# Altium PCB PCB.PcbDoc (part 1 of 3)
Units mil, origin at the board's own origin, x right, y up, seen from the top; angles counter-clockwise.
Board outline 5551.18 x 866.13 mil, 6 copper layers (Top Layer, Layer 2, Layer 3, Layer 4, Layer 5, Bottom Layer), stack 59.842 mil thick; 209 components, 117 nets, 663 pads, 866 vias.
Unrouted connection lines stored in the file: 159.
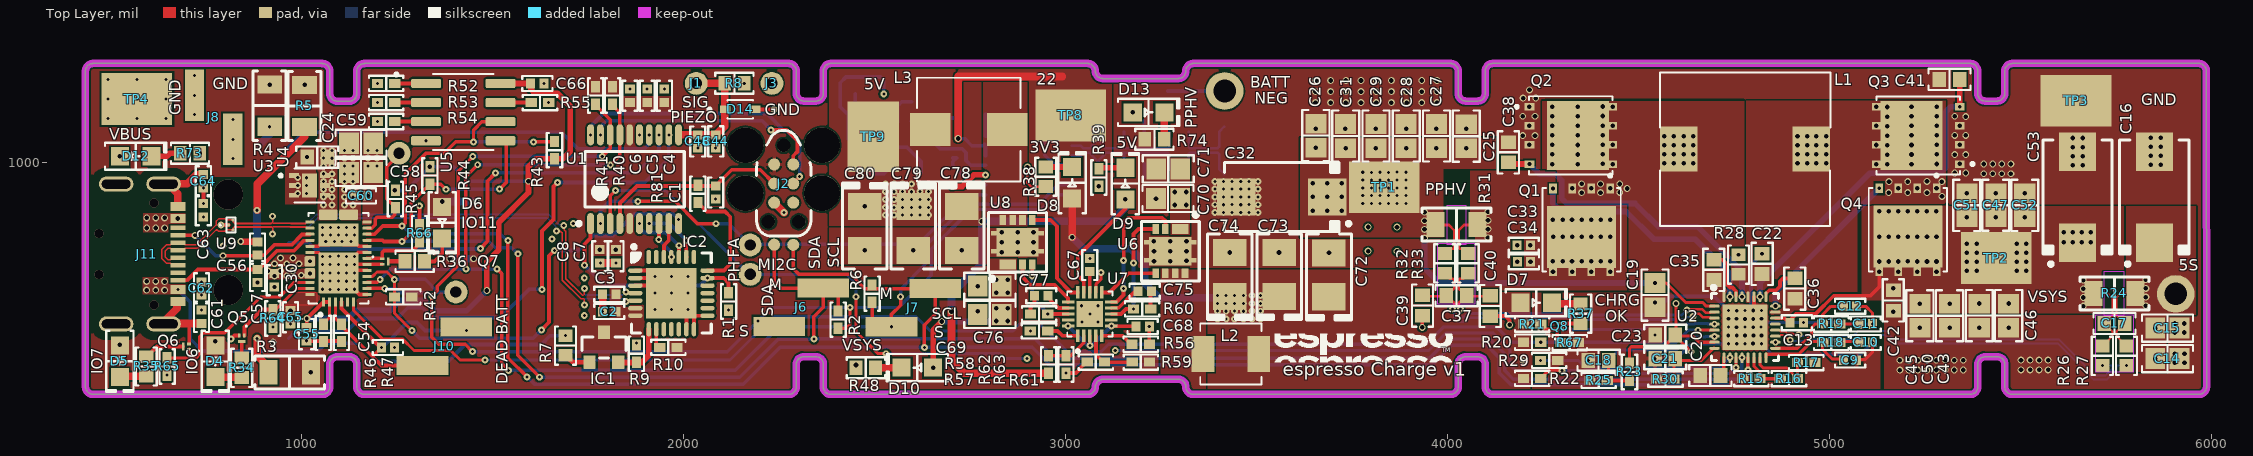
[diagram p0: Top Layer view]
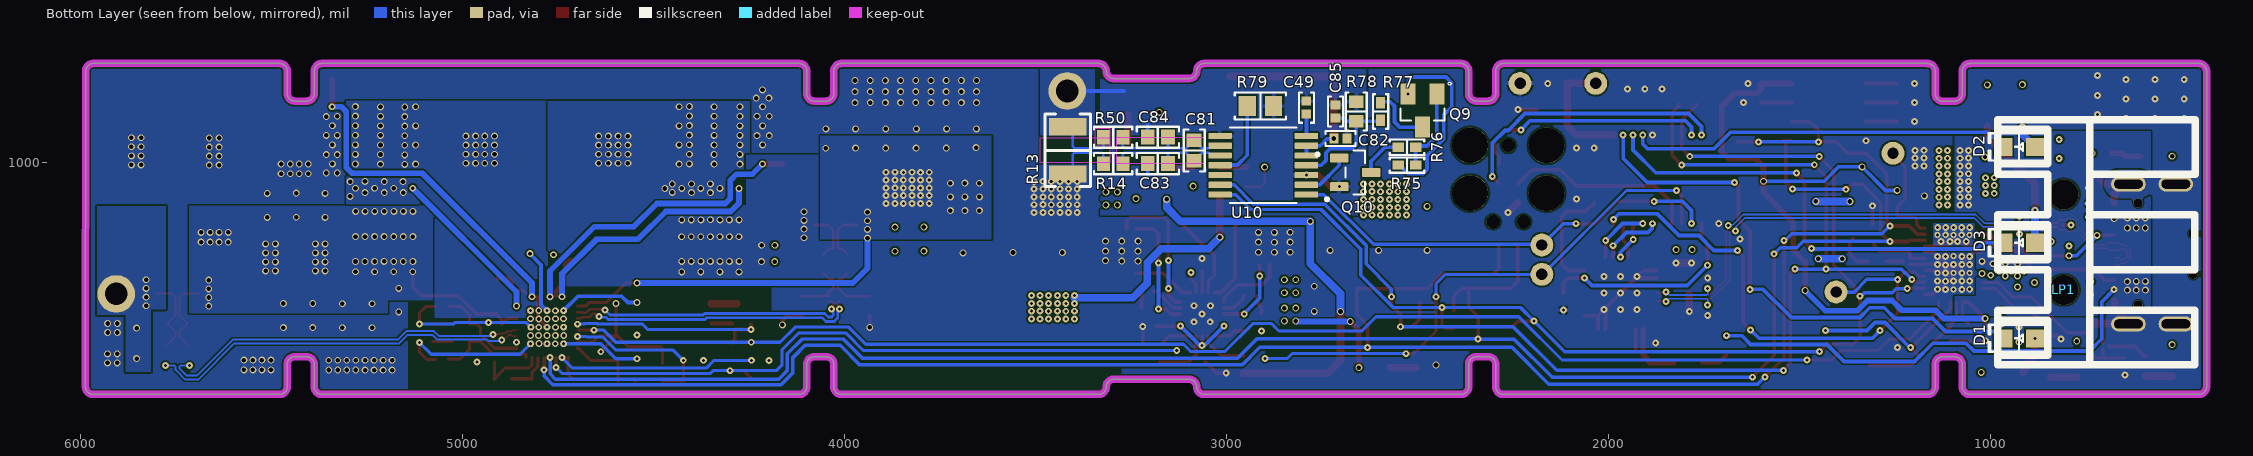
[diagram p1: Bottom Layer view, seen from below]
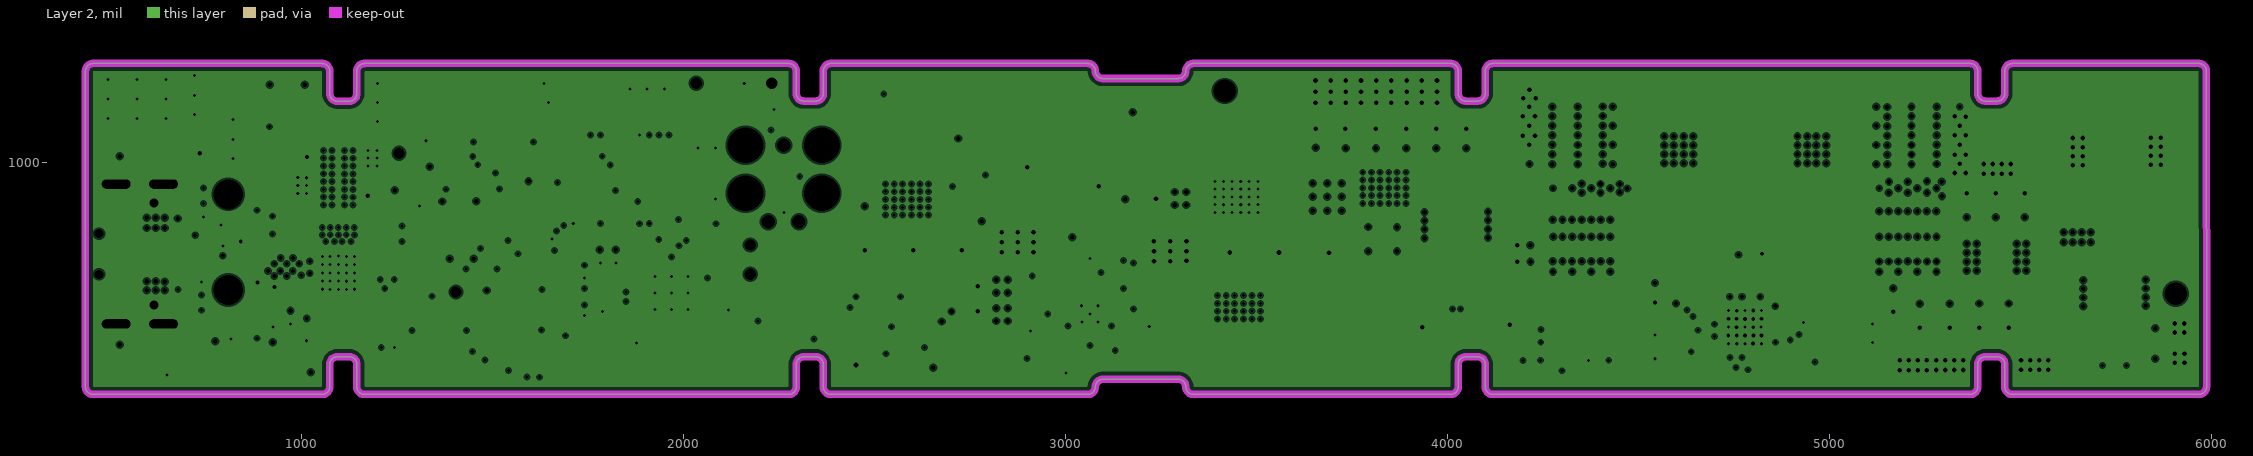
[diagram p2: Layer 2, clearances drawn from the general rule]
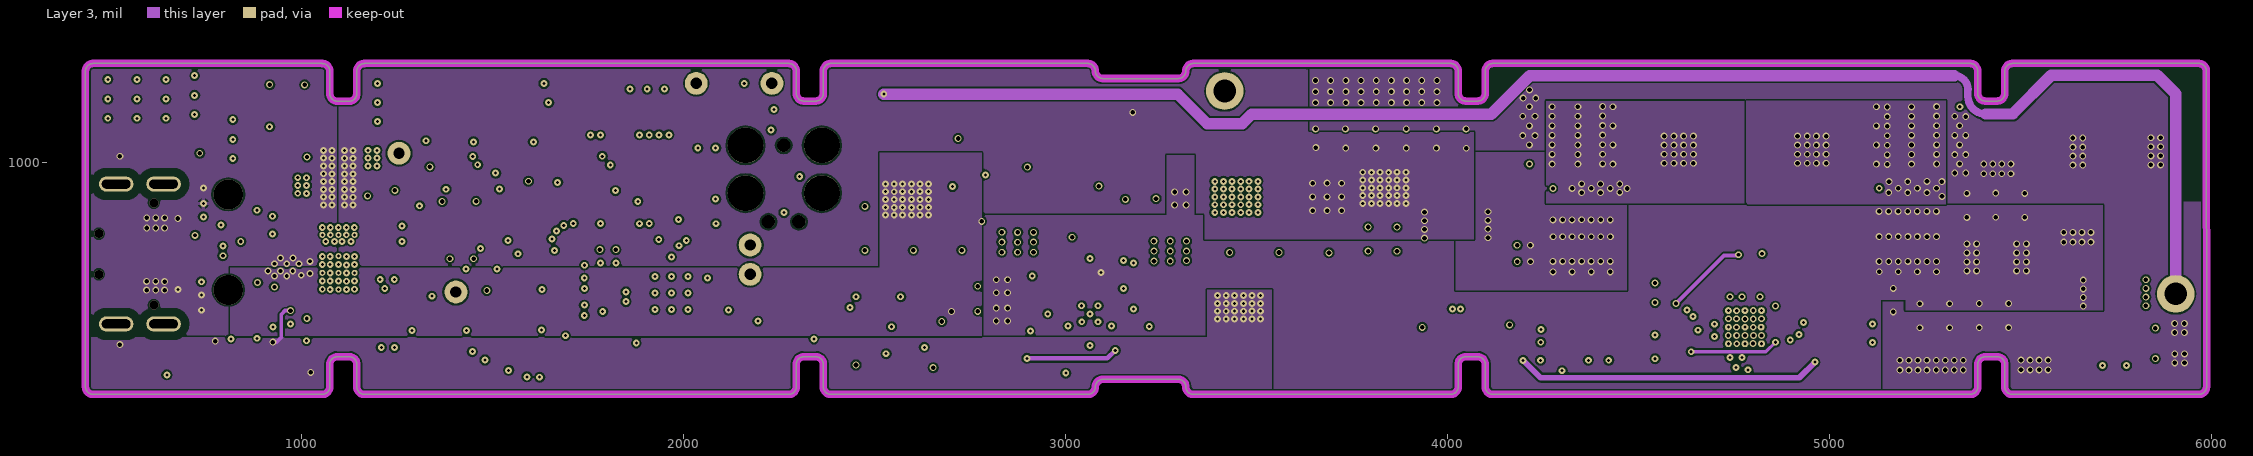
[diagram p3: Layer 3]
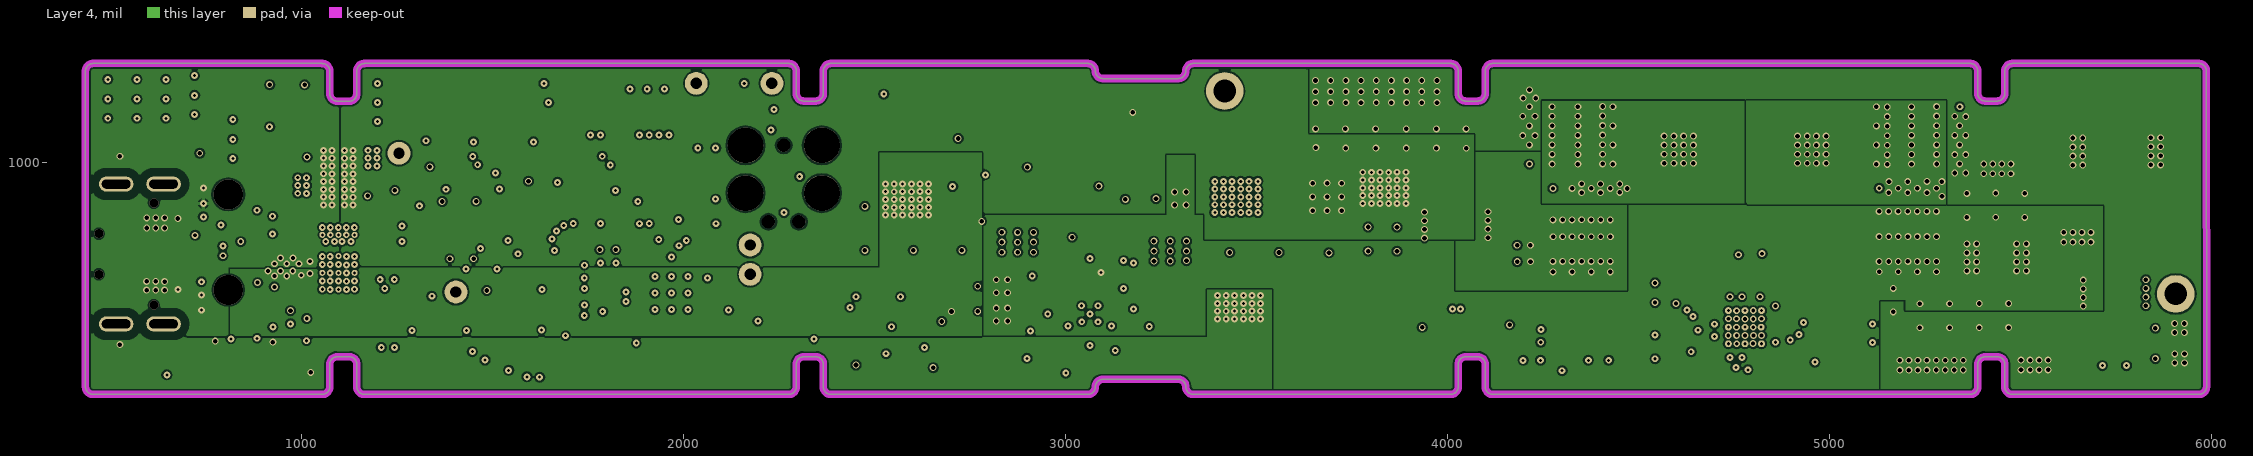
[diagram p4: Layer 4]
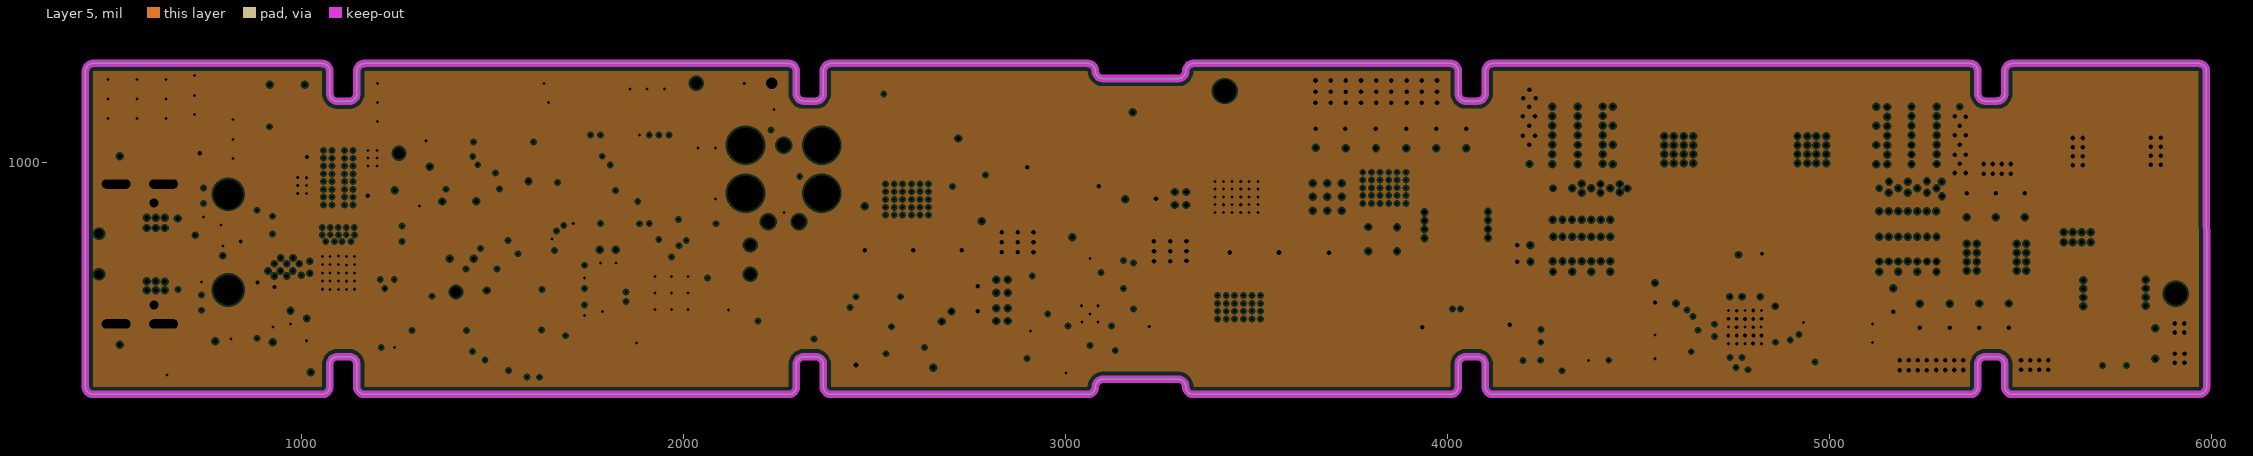
[diagram p5: Layer 5, clearances drawn from the general rule]
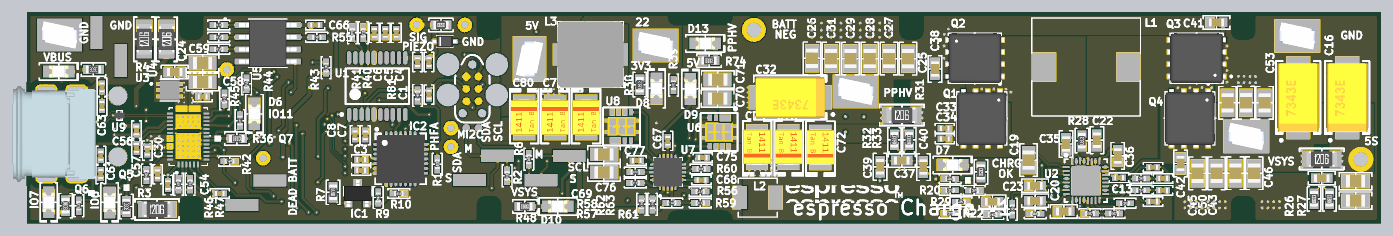
[diagram p8: 3D render of the assembled board from above, using the file's embedded part models]
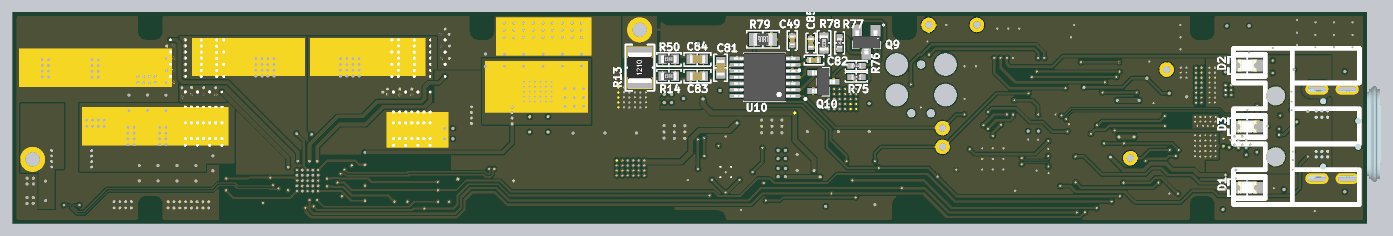
[diagram p9: 3D render of the assembled board from below, using the file's embedded part models]

## Layer stack, top to bottom
Top Solder: solder mask 0.8, Solder Resist, Dk 3.8
Top Layer: signal copper 1.3779
Dielectric 2: prepreg 3.3071, PP-006, Dk 4.1
Dielectric 6: prepreg 2.1063, PP-006, Dk 4.1
Layer 2: plane copper 2.4016, net FUEL_BATT_SR_N
Dielectric 4: core 13.7795, Core-032, Dk 4.7
Layer 3: signal copper 2.4016
Dielectric 8: prepreg 2.1063, PP-006, Dk 4.1
Dielectric 1: prepreg 4.8819, PP-017, Dk 4.25
Dielectric 9: prepreg 2.1063, PP-006, Dk 4.1
Layer 4: signal copper 2.4016
Dielectric 5: core 13.7795, Core-032, Dk 4.7
Layer 5: plane copper 2.4016, net FUEL_BATT_SR_N
Dielectric 7: prepreg 2.1063, PP-006, Dk 4.1
Dielectric 3: prepreg 3.3071, PP-006, Dk 4.1
Bottom Layer: signal copper 1.3779
Bottom Solder: solder mask 0.8, Solder Resist, Dk 3.8

## Board outline
455.12,394.03 1055.12,394.03 ccw(c1055.12,413.72) 1074.81,413.72 1074.8,413.72 1074.8,472.77 cw(c1094.49,472.77) 1094.49,492.46 1125.98,492.46 cw(c1125.98,472.77) 1145.67,472.77 1145.67,472.4 1145.67,413.72 ccw(c1165.35,413.72) 1165.35,394.03 2276.08,394.03 ccw(c2276.08,413.72) 2295.77,413.72 2295.76,413.72 2295.76,472.77 cw(c2315.45,472.77) 2315.45,492.46 2346.95,492.46 2346.94,492.46 cw(c2346.94,472.77) 2366.63,472.77 2366.63,413.72 ccw(c2386.31,413.72) 2386.31,394.03 3058.76,394.03 3058.79,394 ccw(c3058.79,413.69) 3078.47,413.69 cw(c3098.16,413.69) 3098.16,433.37 3295.63,433.37 cw(c3295.63,413.69) 3315.32,413.69 ccw(c3335,413.69) 3335,394 4008.33,394 4008.33,394.03 ccw(c4008.33,413.72) 4028.02,413.72 4028.01,413.72 4028.01,472.77 cw(c4047.7,472.77) 4047.7,492.46 4079.2,492.46 cw(c4079.2,472.77) 4098.88,472.77 4098.88,413.72 ccw(c4118.57,413.72) 4118.57,394.03 5368.11,394.03 ccw(c5368.11,413.72) 5387.79,413.72 5387.79,472.77 cw(c5407.47,472.77) 5407.47,492.46 5438.97,492.46 cw(c5438.97,472.77) 5458.66,472.77 5458.66,413.72 ccw(c5478.34,413.72) 5478.34,394.03 5966.93,394.03 ccw(c5966.93,413.72) 5986.61,413.72 5986.18,1240.45 ccw(c5966.54,1240.45) 5966.54,1260.09 5478.34,1260.09 5478.34,1260.05 ccw(c5478.34,1240.41) 5458.7,1240.41 5458.66,1240.45 5458.66,1181.39 5458.62,1181.39 cw(c5438.97,1181.39) 5438.97,1161.75 5438.97,1161.71 5407.48,1161.71 5407.44,1161.75 cw(c5407.44,1181.39) 5387.79,1181.39 5387.79,1240.45 5387.75,1240.45 ccw(c5368.11,1240.45) 5368.11,1260.09 4118.57,1260.09 ccw(c4118.57,1240.45) 4098.92,1240.45 4098.88,1240.49 4098.88,1181.43 4098.84,1181.43 cw(c4079.2,1181.43) 4079.2,1161.79 4079.2,1161.75 4047.7,1161.75 4047.66,1161.79 cw(c4047.66,1181.43) 4028.01,1181.43 4028.01,1240.49 4027.97,1240.49 ccw(c4008.33,1240.49) 4008.33,1260.13 3335,1260.13 ccw(c3335,1240.45) 3315.32,1240.45 cw(c3295.63,1240.45) 3295.63,1220.76 3098.16,1220.76 cw(c3098.16,1240.45) 3078.47,1240.45 ccw(c3058.79,1240.45) 3058.79,1260.13 2386.31,1260.13 ccw(c2386.31,1240.45) 2366.63,1240.45 2366.63,1181.39 cw(c2346.95,1181.39) 2346.95,1161.71 2315.45,1161.71 cw(c2315.45,1181.39) 2295.77,1181.39 2295.76,1181.76 2295.76,1240.45 2295.77,1240.45 ccw(c2276.08,1240.45) 2276.08,1260.13 1165.35,1260.13 1165.35,1259.84 ccw(c1165.35,1240.16) 1145.66,1240.16 1145.67,1240.16 1145.67,1181.1 cw(c1125.98,1181.1) 1125.98,1161.42 1094.49,1161.42 cw(c1094.49,1181.1) 1074.8,1181.1 1074.8,1181.47 1074.8,1240.16 ccw(c1055.12,1240.16) 1055.12,1259.84 1055.12,1260.09 455.12,1260.09 ccw(c455.12,1240.44) 435.47,1240.44 435.47,413.76 435.43,413.72 ccw(c455.12,413.72)

## Design rules (kind name [scope] priority, off if disabled: settings)
Clearance [All] p1: gap=5 ignorepadtopadclearanceinfootprint=TRUE except(0: Arc-Text Track-Text SMDPad-Text THPad-Text Via-Text Fill-Text Poly-Text Region-Text Text-Text; 2: Arc-Via Track-Via SMDPad-Via THPad-Via Via-Via)
DiffPairsRouting DiffPairsRouting_2 [InDifferentialPairClass('CUR_SENSE_PPHV')] p1: maxlimit=5 minlimit=5 mostfreqgap=5 toplayer_minwidth=4.16 toplayer_maxwidth=6.68 toplayer_prefwidth=6.68 midlayer1_minwidth=0.57 midlayer1_maxwidth=1.84 midlayer1_prefwidth=1.84 midlayer2_minwidth=0.57 midlayer2_maxwidth=1.84 midlayer2_prefwidth=1.84 bottomlayer_minwidth=4.16 bottomlayer_maxwidth=6.68 bottomlayer_prefwidth=6.68 impedanceprofiledriven=TRUE impedanceprofileid={BAF77C7D-01C5-4901-8DD8-E82D383ED464} maxuncoupledlength=500
DiffPairsRouting DiffPairsRouting_3 [InDifferentialPairClass('CURR_SENSE_FUEL')] p2: maxlimit=5 minlimit=5 mostfreqgap=5 toplayer_minwidth=4.16 toplayer_maxwidth=6.68 toplayer_prefwidth=6.68 midlayer1_minwidth=0.57 midlayer1_maxwidth=1.84 midlayer1_prefwidth=1.84 midlayer2_minwidth=0.57 midlayer2_maxwidth=1.84 midlayer2_prefwidth=1.84 bottomlayer_minwidth=4.16 bottomlayer_maxwidth=6.68 bottomlayer_prefwidth=6.68 impedanceprofiledriven=TRUE impedanceprofileid={BAF77C7D-01C5-4901-8DD8-E82D383ED464} maxuncoupledlength=500
DiffPairsRouting DiffPairsRouting_1 [InDifferentialPairClass('CUR_SENSE_BATT')] p3: maxlimit=5 minlimit=5 mostfreqgap=5 toplayer_minwidth=4.16 toplayer_maxwidth=6.68 toplayer_prefwidth=6.68 midlayer1_minwidth=0.57 midlayer1_maxwidth=1.84 midlayer1_prefwidth=1.84 midlayer2_minwidth=0.57 midlayer2_maxwidth=1.84 midlayer2_prefwidth=1.84 bottomlayer_minwidth=4.16 bottomlayer_maxwidth=6.68 bottomlayer_prefwidth=6.68 impedanceprofiledriven=TRUE impedanceprofileid={BAF77C7D-01C5-4901-8DD8-E82D383ED464} maxuncoupledlength=500
DiffPairsRouting [InDifferentialPairClass('USB_90')] p4: maxlimit=5 minlimit=5 mostfreqgap=5 toplayer_minwidth=4.16 toplayer_maxwidth=6.68 toplayer_prefwidth=6.68 midlayer1_minwidth=0.57 midlayer1_maxwidth=1.84 midlayer1_prefwidth=1.84 midlayer2_minwidth=0.57 midlayer2_maxwidth=1.84 midlayer2_prefwidth=1.84 bottomlayer_minwidth=4.16 bottomlayer_maxwidth=6.68 bottomlayer_prefwidth=6.68 impedanceprofiledriven=TRUE impedanceprofileid={BAF77C7D-01C5-4901-8DD8-E82D383ED464} maxuncoupledlength=500
HoleSize [All] p1: absolutevalues=TRUE maxlimit=250 minlimit=5.91 maxpercent=80.000 minpercent=20.000
PlaneClearance [All] p1: clearance=5
PlaneConnect [All] p1: planeconnectstyle=Direct reliefexpansion=20 reliefentries=4 reliefconductorwidth=20 reliefairgap=5
PolygonConnect PolygonConnect_14 [All vs IsNamedPolygon('GND_L02_P026')] p1: connectstyle=Direct reliefconductorwidth=10 reliefentries=4 polygonreliefangle="90 Angle" airgapwidth=10
PolygonConnect PolygonConnect_4 [All vs IsNamedPolygon('NETC7_2_L01_P008')] p2: connectstyle=Direct reliefconductorwidth=10 reliefentries=4 polygonreliefangle="90 Angle" airgapwidth=10
PolygonConnect [All] p3: connectstyle=Relief reliefconductorwidth=10 reliefentries=4 polygonreliefangle="90 Angle" airgapwidth=5
RoutingVias [All] p1: holewidth=8 width=18 viastyle="Through Hole" minholewidth=5.91 minwidth=9.84 maxholewidth=28 maxwidth=50
SilkToSilkClearance [All] p1 off: silktosilkclearance=1
SilkToSolderMaskClearance [IsPad] p1: minsilkscreentomaskgap=1 clearancetoexposedcopper=TRUE
SolderMaskExpansion [All] p1: expansion=1.97
UnRoutedNet [All] p1: checkbadconnections=TRUE
Width Width_I2C [InNetClass('I2C')] p1: maxlimit=9.08 minlimit=9 preferedwidth=9.08 toplayer_minwidth=9.08 midlayer1_maxwidth=9 midlayer1_prefwidth=9 midlayer2_maxwidth=9 midlayer2_prefwidth=9 bottomlayer_minwidth=9.08 impedanceprofiledriven=TRUE impedanceprofileid={C8A92F76-6EA4-41DD-A7DE-2297A63EAE36} minimp=50.000000 maximp=50.000000 favimp=50.000000
Width [All] p2: maxlimit=100 minlimit=3.54 preferedwidth=10
23 further rules are at their usual default settings.

## Classes and differential pairs
differential pair class CURR_SENSE_FUEL_BATT: FUEL_BATT_SR
differential pair class CURR_SENSE_FUEL: FUEL_SR
component class Fuel_Gauge: C49 C81 C82 C83 C84 C85 Q9 Q10 R13 R14 R50 R75 R76 R77 R78 R79 U10
differential pair class CUR_SENSE_PPHV: AC EXT_AC
differential pair class CUR_SENSE_BATT: EXT_SR SR
differential pair class USB_90: D DCONN EXT_SR M PD
component class Voltage_Regulation_TI: C67 C68 C69 C70 C71 C72 C73 C74 C75 C76 C77 C78 C79 C80 L2 L3 R56 R57 R58 R59 R60 R61 R62 R63 TP8 TP9 U6 U7 U8
component class PD_Controller_TI: C24 C30 C54 C55 C56 C57 C58 C59 C60 C61 C62 C63 C64 C65 C66 J10 J11 R46 R47 R52 R53 R54 R55 TP4 U3 U4 U5 U9
component class I2C: D4 D5 D6 D7 D8 D9 D10 D12 D13 J6 J7 J8 Q5 Q6 Q7 Q8 R2 R6 R34 R35 R36 R37 R38 R39 R40 R41 R42 R43 R44 R45 R48 R64 R65 R66 R67 R73 R74
component class Charging_TI: C9 C10 C11 C12 C13 C14 C15 C16 C17 C18 C19 C20 C21 C22 C23 R15 R16 R17 R18 R19 R20 R21 R22 R23 R24 R25 R26 R27 R28 R29 R30 U2
component class Charging_TI_2: C25 C26 C27 C28 C29 C31 C32 C33 C34 C35 C36 C37 C38 C39 C40 C41 C42 C43 C45 C46 C47 C50 C51 C52 C53 L1 Q1 Q2 Q3 Q4 R31 R32 R33 TP1 TP2 TP3
component class Microcontroller: C1 C2 C3 C4 C5 C6 C7 C8 C44 C48 D1 D2 D3 D14 IC1 IC2 J1 J2 J3 LP1 R1 R3 R4 R5 R7 R8 R9 R10 R81 U1
differential pair FUEL_BATT_SR: +FUEL_BATT_SR_P -FUEL_BATT_SR_N
differential pair FUEL_SR: +FUEL_SR_P -FUEL_SR_N
differential pair SR: +SR_P -SR_N
differential pair AC: +AC_P -AC_N
differential pair DCONN: +DCONN_P -DCONN_N

## Components (designator, comment, footprint, x,y, rotation, side; value= is the part's Value field where it differs from the comment)
C1 "0.1 µF" "CAP 0402_1005" 2084.78,922.48 r90 top
C2 "4.7 µF" "CAP 0402_1005" 1806.45,610.76 r0 top
C3 "0.1 µF" "CAP 0402_1005" 1806.45,655.76 r0 top
C4 "4.7 µF" "CAP 0402_1005" 1950.58,1175.48 r270 top
C5 "0.1 µF" "CAP 0402_1005" 1905.58,1175.48 r270 top
C6 "0.1 µF" "CAP 0402_1005" 1860.58,1175.48 r270 top
C7 "1 µF" "CAP 0402_1005" 1823.77,755.53 r90 top
C8 "10000 pF" "CAP 0402_1005" 1781.75,755.53 r90 top
C9 "33 pF" "CAP 0402_1005" 5053.74,483.84 r180 top
C10 "4700 pF" "CAP 0402_1005" 5094.87,530.1 r180 top
C11 "680 pF" "CAP 0402_1005" 5094.88,578.28 r180 top
C12 "15 pF" "CAP 0402_1005" 5053.74,624.54 r180 top
C13 "1 µF" "CAP 0402_1005" 4914.37,581.76 r0 top
C14 "10 µF" "CAP 0805_2012" 5884.31,487.65 r180 top
C15 "10 µF" "CAP 0805_2012" 5884.31,567.38 r180 top
C16 "33 µF" "CAP POL 2917_7343" 5850,910.43 r90 top
C17 "0.1 µF" "CAP 0603_1608" 5745.57,579.72 r0 top
C18 "100 pF" "CAP 0603_1608" 4395.45,483.27 r0 top
C19 "0.47 µF" "CAP 0805_2012" 4543.31,654 r90 top
C20 "100 pF" "CAP 0603_1608" 4687.99,443.5 r0 top
C21 "100 pF" "CAP 0603_1608" 4569.88,487.32 r0 top
C22 "2.2 µF" "CAP 0603_1608" 4823.44,735.7 r270 top
C23 "1 µF" "CAP 0603_1608" 4569.88,549 r0 top
C24 "4.7 µF" "CAP 0603_1608" 1042,1015.08 r0 top
C25 "10 µF" "CAP 0805_2012" 4049.22,1069.77 r270 top
C26 "10 µF" "CAP 0805_2012" 3655.72,1071.36 r270 top
C27 "10 µF" "CAP 0805_2012" 3971.18,1070.22 r270 top
C28 "10 µF" "CAP 0805_2012" 3892.01,1070.22 r270 top
C29 "10 µF" "CAP 0805_2012" 3812.85,1070.22 r270 top
C30 "10 µF" "CAP 0402_1005" 929.86,692.78 r270 top
C31 "10 µF" "CAP 0805_2012" 3733.69,1070.22 r270 top
C32 "33 µF" "CAP POL 2917_7343" 3566,910.79 r180 top
C33 "1000 pF" "CAP 0402_1005" 4199.77,784.26 r0 top
C34 "10000 pF" "CAP 0402_1005" 4200,741.39 r0 top
C35 "0.047 µF" "CAP 0603_1608" 4697,720 r270 top
C36 "0.047 µF" "CAP 0603_1608" 4909,671 r270 top
C37 "10000 pF" "CAP 0603_1608" 4023.62,652.31 r180 top
C38 "150 pF" "CAP 0603_1608" 4159.45,1027.56 r270 top
C39 "0.033 µF" "CAP 0603_1608" 3934.71,626.42 r90 top
C40 "0.033 µF" "CAP 0603_1608" 4112,625.53 r90 top
C41 "150 pF" "CAP 0603_1608" 5313.98,1218.5 r0 top
C42 "10000 pF" "CAP 0603_1608" 5166.8,640 r90 top
C43 "10 µF" "CAP 0805_2012" 5391.79,600.31 r90 top
C44 "4700 pF" "CAP 0402_1005" 2084.79,1056.1 r90 top
C45 "10 µF" "CAP 0805_2012" 5236.28,599.83 r90 top
C46 "10 µF" "CAP 0805_2012" 5468.56,600.31 r90 top
C47 "10 µF" "CAP 0805_2012" 5435.04,889.12 r270 top
C48 "4700 pF" "CAP 0402_1005" 2038,1056 r90 top
C49 "1 µF" "CAP 0402_1005" 2791.18,1144.61 r270 bottom
C50 "10 µF" "CAP 0805_2012" 5314.04,599.83 r90 top
C51 "10 µF" "CAP 0805_2012" 5359.25,888.78 r270 top
C52 "10 µF" "CAP 0805_2012" 5510.83,888.78 r270 top
C53 "33 µF" "CAP POL 2917_7343" 5649,910.43 r90 top
C54 "10 µF" "CAP 0402_1005" 1227,516.73 r180 top
C55 "10 µF" "CAP 0402_1005" 1014,551.68 r90 top
C56 "220 pF" "CAP 0402_1005" 885.83,775.59 r90 top
C57 "220 pF" "CAP 0402_1005" 885.83,703.87 r270 top
C58 "22 µF" "CAP 0805_2012" 1156.63,974.61 r180 top
C59 "22 µF" "CAP 0805_2012" 1156.63,1051.38 r180 top
C60 "0.1 µF" "CAP 0402_1005" 1156.5,913.58 r0 top
C61 "10000 pF" "CAP 0402_1005" 739.16,597 r90 top
C62 "10000 pF" "CAP 0402_1005" 739,671.43 r270 top
C63 "10000 pF" "CAP 0402_1005" 744,876 r90 top
C64 "10000 pF" "CAP 0402_1005" 744,952 r270 top
C65 "10 µF" "CAP 0402_1005" 972,596 r270 top
C66 "0.1 µF" "CAP 0402_1005" 1618.11,1207.68 r180 top